# KiCad board AMC_FMC_Carrier-PcbDoc.kicad_pcb (continued)
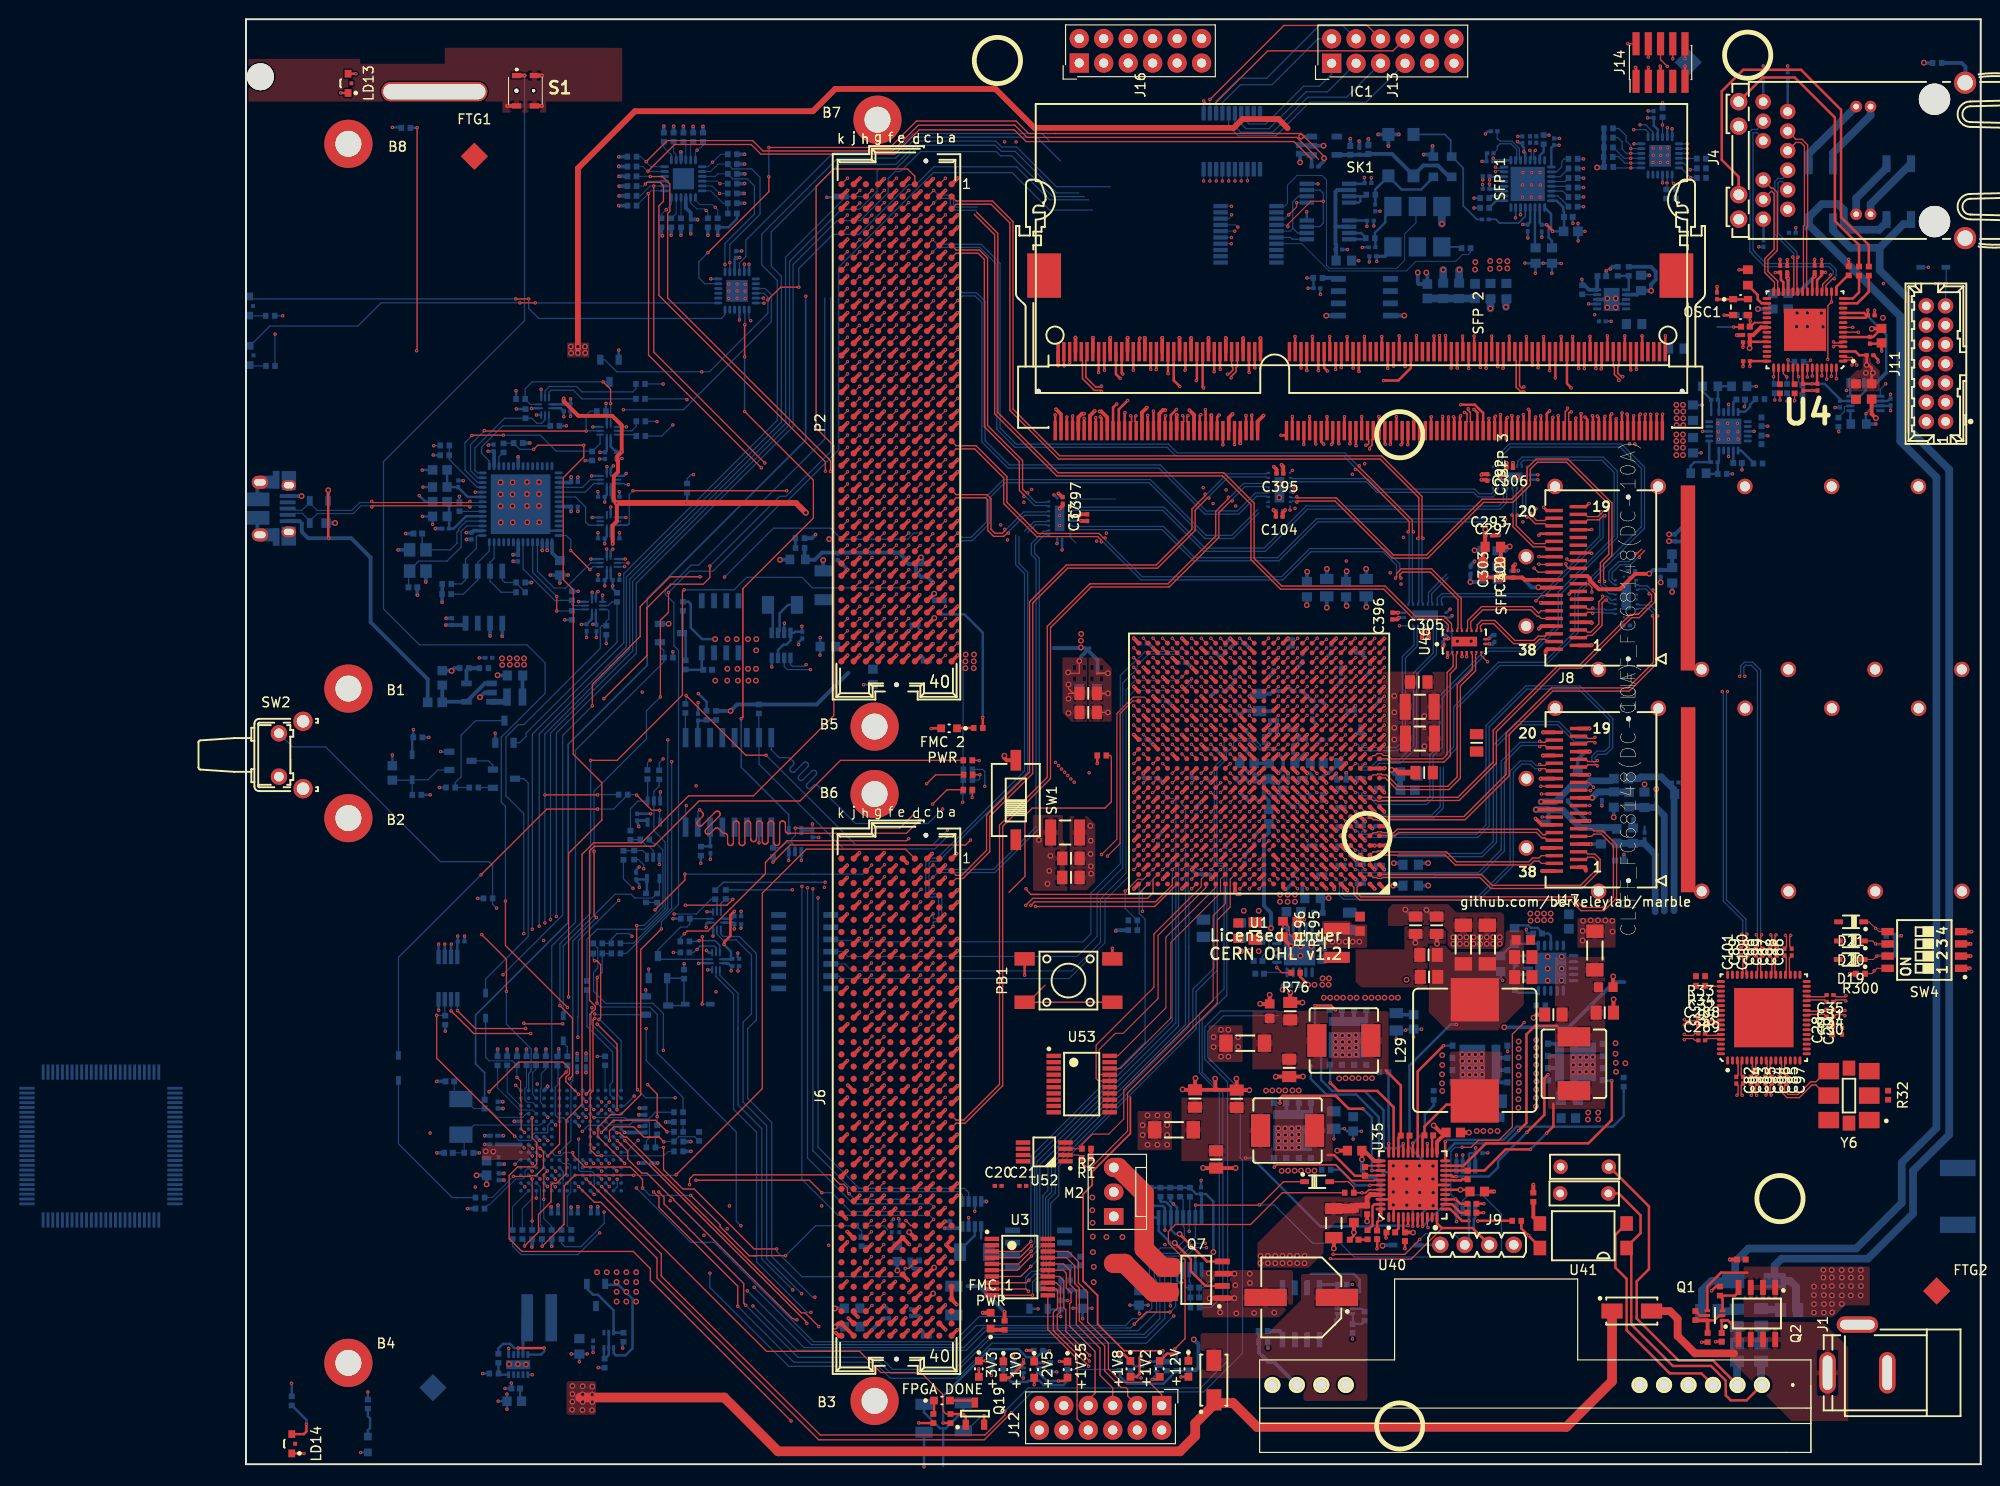
[diagram p0: board, top side]
## Nets (continued)
+3V3: C7.1 C8.1 C21.1 C23.1 C24.1 C37.1 C41.1 C63.1 C64.1 C70.1 C74.1 C78.1 C103.1 C104.1 C211.1 C212.1 C215.1 C281.1 C283.1 C285.1 C287.1 C290.1 C291.1 C292.1 C293.1 C294.1 C295.1 C296.1 C297.1 C298.1 C305.1 C306.1 C333.1 C335.1 C337.1 C339.1 C342.1 C392.1 C395.1 C396.1 C397.1 C398.1 C399.1 C400.1 C401.1 C402.1 C403.1 J4.18 J4.20 J6.C39 J6.D36 J6.D38 J6.D40 J12.11 J12.12 J13.11 J13.12 J16.11 J16.12 L1.1 L2.1 L4.1 L5.1 L11.1 L22.2 L30.1 L43.1 L44.1 P2.C39 P2.D36 P2.D38 P2.D40 R1.1 R2.1 R29.1 R32.1 R35.1 R36.1 R37.2 R38.2 R45.2 R46.2 R47.2 R48.2 R49.2 R50.2 R51.2 R52.2 R53.2 R54.2 R55.2 R56.2 R57.2 R62.2 R72.1 R73.1 R75.2 R77.2 R83.2 R91.2 R131.1 R163.1 R167.1 R199.1 R224.1 R248.1 R262.1 R264.1 R265.1 R301.1 R302.1 R303.2 R304.2 R305.2 SK1.199 SW4.1 SW4.2 SW4.3 SW4.4 U1.A11 U1.B8 U1.C15 U1.D12 U1.E9 U1.G13 U1.H10 U3.19 U6.3 U8.1 U8.7 U8.10 U9.7 U9.10 U11.5 U12.19 U31.7 U31.10 U34.21 U34.23 U39.18 U39.21 U44.1 U44.6 U44.10 U45.1 U45.6 U45.10 U46.1 U46.6 U46.10 U47.1 U47.2 U47.4 U47.5 U48.1 U48.6 U48.10 U49.1 U49.6 U49.10 U50.1 U50.6 U50.10 U52.1
+3V3_CLEAN: C28.1 C29.1 C36.1 C80.1 C110.1 C112.1 C115.1 C116.1 C117.1 C118.1 C119.1 C122.1 C124.1 C125.1 C196.1 C210.1 L12.2 L26.2 R58.2 R94.1 U13.1 U13.3 U16.1 U19.1 U20.1 U20.4 U20.9 U20.20 U20.27 U20.30 Y3.6 Y6.6
+3V3_USB: C163.1 C164.1 C166.1 C169.1 C170.1 C172.1 C176.1 C177.1 C178.1 C180.1 C182.1 C183.1 C184.1 C355.1 D16.1 L23.2 L24.1 L25.1 R113.1 R115.1 R117.1 R118.1 R121.1 R122.1 R123.1 R124.1 R125.1 R126.1 R270.1 R271.2 R272.2 U15.7 U15.10 U21.6 U21.8 U23.2 U23.16 U23.31 U23.36 U23.44 U23.50 U24.1 U24.7 U24.10 U25.7 U25.10 U26.1 U26.7 U26.10 U33.7 U33.10 U38.1 U38.7
+5V: C363.1 R193.1
+12V: C105.1 C131.1 C134.1 C135.1 C137.1 C141.1 C151.1 C153.1 C155.1 C157.1 C159.1 C161.1 C195.1 C331.1 C343.1 C344.1 M2.2 Q1.4 Q2.1 Q2.2 Q2.3 Q4.1 Q4.2 Q4.3 Q10.2 Q10.3 Q10.4 Q10.10 Q11.2 Q11.3 Q11.4 Q11.10 Q12.2 Q12.3 Q12.4 Q12.10 Q13.2 Q13.3 Q13.4 Q13.10 Q16.1 Q16.2 Q16.3 Q22.4 Q23.1 Q23.2 Q23.3 R202.1 R203.1 R249.1 R252.1 R254.1 R256.1 R257.1 U35.41
+12V_FMC1: C61.1 C62.1 J6.C35 J6.C37 R182.2 R235.1 U17.2
+12V_FMC2: C5.1 C6.1 P2.C35 P2.C37 R183.2 R236.1 U32.2
/FPGA/FPGA_PWR&MISC/GNDADC: C222.2 C224.2 L28.2 U1.M11 U1.N11 U1.N12 U1.P11 U1.P12
/FPGA/FPGA_PWR&MISC/VCCADC: C222.1 C224.1 L27.2 U1.M12
GND: B1.1 B2.1 B3.1 B4.1 B5.1 B6.1 B7.1 B8.1 C1.2 C2.2 C3.2 C4.2 C5.2 C6.2 C7.2 C8.2 C9.2 C10.2 C11.2 C12.1 C13.1 C14.2 C15.2 C16.2 C17.2 C18.2 C19.2 C20.2 C21.2 C22.2 C23.2 C24.2 C25.2 C26.2 C27.2 C28.2 C29.2 C36.2 C37.2 C38.2 C39.2 C40.1 C41.2 C42.1 C43.2 C44.2 C45.2 C46.2 C47.1 C48.2 C49.2 C50.2 C51.2 C52.2 C53.2 C54.2 C55.2 C56.2 C57.2 C58.2 C59.2 C60.2 C61.2 C62.2 C63.2 C64.2 C65.2 C66.2 C67.2 C68.1 C69.1 C70.2 C72.2 C73.2 C74.2 C76.2 C77.1 C78.2 C79.2 C80.2 C81.2 C90.2 C91.2 C92.2 C93.2 C103.2 C104.2 C105.2 C106.2 C107.2 C108.2 C109.2 C110.2 C111.2 C112.2 C113.2 C115.2 C116.2 C117.2 C118.2 C119.2 C120.2 C121.2 C122.2 C123.2 C124.2 C125.2 C126.2 C127.2 C128.2 C129.2 C130.2 C131.2 C132.2 C133.2 C136.2 C137.2 C138.1 C139.2 C140.2 C141.2 C142.2 C143.2 C144.2 C145.2 C146.2 C151.2 C152.2 C153.2 C154.2 C155.2 C156.2 C157.2 C158.2 C159.2 C160.2 C161.2 C162.2 C163.2 C164.2 C165.2 C166.2 C167.2 C168.2 C169.2 C170.2 C171.2 C172.2 C173.2 C174.2 C175.2 C176.2 C177.2 C178.2 C179.2 C180.2 C181.2 C182.2 C183.2 C184.2 C185.2 C186.2 C187.2 C190.2 C191.1 C192.1 C193.2 C194.2 C195.2 C196.2 C197.2 C198.2 C199.2 C200.2 C201.2 C202.2 C203.2 C204.2 C205.2 C206.2 C207.2 C208.2 C209.2 C210.2 C211.2 C212.2 C213.2 C214.2 C215.2 C216.2 C217.2 C218.2 C219.2 C220.2 C221.2 C223.2 C225.2 C226.2 C227.2 C228.2 C229.2 C230.2 C231.2 C232.2 C233.2 C234.2 C235.2 C236.2 C237.2 C238.2 C239.2 C240.2 C241.2 C242.2 C243.2 C244.2 C245.2 C246.2 C247.2 C248.2 C249.2 C250.2 C251.2 C252.2 C253.2 C254.2 C255.2 C256.2 C257.2 C258.2 C259.2 C260.2 C261.2 C262.2 C263.2 C264.2 C265.2 C266.2 C267.2 C268.2 C269.2 C270.2 C271.2 C272.2 C273.2 C274.2 C275.2 C276.2 C277.2 C278.2 C279.2 C280.2 C281.2 C282.2 C283.2 C284.2 C285.2 C286.2 C287.2 C290.2 C291.2 C292.2 C293.2 C294.2 C295.2 C296.2 C297.2 C298.2 C299.2 C300.2 C301.2 C302.2 C303.2 C304.2 C305.2 C306.2 C330.2 C331.2 C332.2 C333.2 C334.2 C335.2 C336.2 C337.2 C338.2 C339.2 C340.2 C341.2 C342.2 C343.2 C344.2 C345.2 C346.2 C347.2 C348.2 C349.2 C350.2 C351.2 C352.2 C353.2 C354.2 C355.2 C356.2 C358.2 C359.2 C360.2 C361.2 C362.2 C363.2 C375.2 C380.2 C381.2 C382.2 C383.2 C384.2 C385.2 C386.2 C387.2 C388.2 C389.2 C390.2 C391.2 C392.2 C393.2 C394.2 C395.2 C396.2 C397.2 C398.2 C399.2 C400.2 C401.2 C402.2 C403.2 C404.2 C405.2 C406.2 C407.2 C408.2 C409.2 D13.1 D15.2 J1.3 J6.A1 J6.A4 J6.A5 J6.A8 J6.A9 J6.A12 J6.A13 J6.A16 J6.A17 J6.A20 J6.A21 J6.A24 J6.A25 J6.A28 J6.A29 J6.A32 J6.A33 J6.A36 J6.A37 J6.A40 J6.B2 J6.B3 J6.B6 J6.B7 J6.B10 J6.B11 J6.B14 J6.B15 J6.B18 J6.B19 J6.B22 J6.B23 J6.B26 J6.B27 J6.B30 J6.B31 J6.B34 J6.B35 J6.B38 J6.B39 J6.C1 J6.C4 J6.C5 J6.C8 J6.C9 J6.C12 J6.C13 J6.C16 J6.C17 J6.C20 J6.C21 J6.C24 J6.C25 J6.C28 J6.C29 J6.C32 J6.C33 J6.C34 J6.C36 J6.C38 J6.C40 J6.D2 J6.D3 J6.D6 J6.D7 J6.D10 J6.D13 J6.D16 J6.D19 J6.D22 J6.D25 J6.D28 J6.D35 J6.D37 J6.D39 J6.E1 J6.E4 J6.E5 J6.E8 J6.E11 J6.E14 J6.E17 J6.E20 J6.E23 J6.E26 J6.E29 J6.E32 J6.E35 J6.E38 J6.E40 J6.F2 J6.F3 J6.F6 J6.F9 J6.F12 J6.F15 J6.F18 J6.F21 J6.F24 J6.F27 J6.F30 J6.F33 J6.F36 J6.F39 J6.G1 J6.G4 J6.G5 J6.G8 J6.G11 J6.G14 J6.G17 J6.G20 J6.G23 J6.G26 J6.G29 J6.G32 J6.G35 J6.G38 J6.G40 J6.H3 J6.H6 J6.H9 J6.H12 J6.H15 J6.H18 J6.H21 J6.H24 J6.H27 J6.H30 J6.H33 J6.H36 J6.H39 J6.J1 J6.J4 J6.J5 J6.J8 J6.J11 J6.J14 J6.J17 J6.J20 J6.J23 J6.J26 J6.J29 J6.J32 J6.J35 J6.J38 J6.J40 J6.K2 J6.K3 J6.K6 J6.K9 J6.K12 J6.K15 J6.K18 J6.K21 J6.K24 J6.K27 J6.K30 J6.K33 J6.K36 J6.K39 J8.1 J8.4 J8.7 J8.13 J8.16 J8.19 J8.20 J8.23 J8.26 J8.32 J8.35 J8.38 J9.4 J10.5 J10.6 J11.1 J11.3 J11.5 J11.7 J11.9 J11.11 J12.9 J12.10 J13.9 J13.10 J14.3 J14.5 J14.9 J16.9 J16.10 J17.1 J17.4 J17.7 J17.13 J17.16 J17.19 J17.20 J17.23 J17.26 J17.32 J17.35 J17.38 L28.1 LD1.1 LD2.1 LD4.1 LD6.1 LD10.1 OSC1.2 P2.A1 P2.A4 P2.A5 P2.A8 P2.A9 P2.A12 P2.A13 P2.A16 P2.A17 P2.A20 P2.A21 P2.A24 P2.A25 P2.A28 P2.A29 P2.A32 P2.A33 P2.A36 P2.A37 P2.A40 P2.B2 P2.B3 P2.B6 P2.B7 P2.B10 P2.B11 P2.B14 P2.B15 P2.B18 P2.B19 P2.B22 P2.B23 P2.B26 P2.B27 P2.B30 P2.B31 P2.B34 P2.B35 P2.B38 P2.B39 P2.C1 P2.C4 P2.C5 P2.C8 P2.C9 P2.C12 P2.C13 P2.C16 P2.C17 P2.C20 P2.C21 P2.C24 P2.C25 P2.C28 P2.C29 P2.C32 P2.C33 P2.C36 P2.C38 P2.C40 P2.D2 P2.D3 P2.D6 P2.D7 P2.D10 P2.D13 P2.D16 P2.D19 P2.D22 P2.D25 P2.D28 P2.D35 P2.D37 P2.D39 P2.E1 P2.E4 P2.E5 P2.E8 P2.E11 P2.E14 P2.E17 P2.E20 P2.E23 P2.E26 P2.E29 P2.E32 P2.E35 P2.E38 P2.E40 P2.F2 P2.F3 P2.F6 P2.F9 P2.F12 P2.F15 P2.F18 P2.F21 P2.F24 P2.F27 P2.F30 P2.F33 P2.F36 P2.F39 P2.G1 P2.G4 P2.G5 P2.G8 P2.G11 P2.G14 P2.G17 P2.G20 P2.G23 P2.G26 P2.G29 P2.G32 P2.G35 P2.G38 P2.G40 P2.H3 P2.H6 P2.H9 P2.H12 P2.H15 P2.H18 P2.H21 P2.H24 P2.H27 P2.H30 P2.H33 P2.H36 P2.H39 P2.J1 P2.J4 P2.J5 P2.J8 P2.J11 P2.J14 P2.J17 P2.J20 P2.J23 P2.J26 P2.J29 P2.J32 P2.J35 P2.J38 P2.J40 P2.K2 P2.K3 P2.K6 P2.K9 P2.K12 P2.K15 P2.K18 P2.K21 P2.K24 P2.K27 P2.K30 P2.K33 P2.K36 P2.K39 PB1.3 PB1.4 Q5.2 Q6.2 Q7.1 Q7.3 Q8.2 Q9.2 Q10.5 Q10.6 Q10.7 Q11.5 Q11.6 Q11.7 Q12.5 Q12.6 Q12.7 Q13.5 Q13.6 Q13.7 Q17.2 Q18.2 Q19.2 Q24.2 Q26.1 Q26.4 Q27.1 Q27.4 R30.2 R33.2 R34.2 R42.2 R43.2 R44.2 R59.1 R60.1 R61.1 R65.1 R66.1 R69.2 R71.2 R95.1 R96.1 R97.1 R98.1 R99.1 R100.1 R101.1 R102.1 R104.2 R108.2 R110.2 R116.2 R119.2 R120.1 R127.2 R132.2 R137.2 R138.2 R142.2 R144.2 R146.2 R147.2 R158.2 R165.1 R169.1 R171.2 R180.2 R181.2 R188.2 R189.2 R190.1 R191.1 R192.1 R194.1 R196.2 R198.2 R201.2 R212.2 R222.2 R243.1 R258.2 R260.2 R272.1 R281.2 R284.2 R285.2 R297.2 R298.2 R299.2 R300.2 S1.2 S1.3 S1.4 SK1.2 SK1.3 SK1.8 SK1.9 SK1.13 SK1.14 SK1.19 SK1.20 SK1.25 SK1.26 SK1.31 SK1.32 SK1.37 SK1.38 SK1.43 SK1.44 SK1.48 SK1.49 SK1.54 SK1.55 SK1.60 SK1.61 SK1.65 SK1.66 SK1.71 SK1.72 SK1.127 SK1.128 SK1.133 SK1.134 SK1.138 SK1.139 SK1.144 SK1.145 SK1.150 SK1.151 SK1.155 SK1.156 SK1.161 SK1.162 SK1.167 SK1.168 SK1.172 SK1.173 SK1.178 SK1.179 SK1.184 SK1.185 SK1.189 SK1.190 SK1.195 SK1.196 SK1.197 SK1.201 SW1.2 SW2.1 SW3.1 U1.A1 U1.A2 U1.A5 U1.A6 U1.A7 U1.A16 U1.A26 U1.AA6 U1.AA16 U1.AA26 U1.AB3 U1.AB13 U1.AB23 U1.AC10 U1.AC20 U1.AD7 U1.AD17 U1.AE4 U1.AE14 U1.AE24 U1.AF1 U1.AF11 U1.AF21 U1.B4 U1.B7 U1.B13 U1.B23 U1.C1 U1.C5 U1.C7 U1.C10 U1.C20 U1.D4 U1.D7 U1.D17 U1.E1 U1.E2 U1.E5 U1.E7 U1.E8 U1.E14 U1.E24 U1.F3 U1.F4 U1.F7 U1.F11 U1.F21 U1.G1 U1.G5 U1.G8 U1.G18 U1.H4 U1.H7 U1.H15 U1.H25 U1.J1 U1.J2 U1.J5 U1.J12 U1.J22 U1.K3 U1.K4 U1.K7 U1.K9 U1.K11 U1.K13 U1.K19 U1.L1 U1.L5 U1.L10 U1.L12 U1.L14 U1.L16 U1.L26 U1.M4 U1.M7 U1.M9 U1.M13 U1.M15 U1.M23 U1.N1 U1.N2 U1.N5 U1.N7 U1.N10 U1.N14 U1.N20 U1.P3 U1.P4 U1.P9 U1.P13 U1.P15 U1.P17 U1.R1 U1.R2 U1.R5 U1.R8 U1.R10 U1.R14 U1.R24 U1.T1 U1.T3 U1.T4 U1.T9 U1.T11 U1.T13 U1.T15 U1.T21 U1.U8 U1.U10 U1.U12 U1.U14 U1.U18 U1.V5 U1.V15 U1.V25 U1.W2 U1.W12 U1.W22 U1.Y9 U1.Y19 U2.2 U2.11 U2.16 U2.17 U2.27 U2.30 U2.32 U2.33 U2.37 U2.46 U2.53 U2.62 U2.64 U2.65 U3.1 U4.10 U4.57 U5.9 U6.2 U7.3 U8.3 U9.1 U9.3 U10.3 U11.1 U11.3 U12.1 U13.2 U14.4 U14.5 U15.2 U15.3 U16.8 U17.3 U17.7 U17.8 U18.1 U18.6 U18.11 U19.8 U20.22 U20.33 U21.5 U22.2 U23.10 U23.21 U23.41 U23.45 U23.57 U24.2 U24.3 U25.1 U25.2 U25.3 U26.3 U27.10 U27.13 U28.4 U28.5 U29.4 U29.5 U29.6 U30.10 U31.4 U31.8 U31.11 U32.3 U32.8 U33.1 U33.3 U34.9 U34.18 U34.24 U34.25 U35.2 U35.17 U35.42 U35.45 U36.12 U36.21 U37.12 U37.21 U38.2 U38.3 U38.10 U39.9 U39.23 U39.24 U39.25 U40.7 U40.10 U43.19 U43.20 U43.27 U43.49 U43.74 U43.99 U44.5 U44.11 U44.20 U44.21 U45.5 U45.11 U45.20 U45.21 U46.5 U46.11 U46.20 U46.21 U47.3 U47.8 U47.13 U47.18 U47.21 U48.5 U48.11 U48.20 U48.21 U49.5 U49.11 U49.20 U49.21 U50.5 U50.11 U50.20 U50.21 U51.7 U52.4 Y1.3 Y2.2 Y3.3 Y4.2 Y4.4 Y6.3
VCCAUX: C223.1 C226.1 C227.1 C229.1 C231.1 C233.1 C235.1 C237.1 L15.2 U1.L11 U1.M10 U1.P10 U1.T10 U1.U11
VCCAUXIO2V0: C75.1 C76.1 C384.1 C385.1 R70.1 U1.P8 U1.R9 U1.T8 U47.11 U47.12
VCCBRAM: C2.1 C3.1 C216.1 C218.1 C220.1 L33.2 U1.N13 U1.R13 U1.T12 U1.U13
/ALERT: R172.2 U27.14 U39.5
/AMC_connector/AMC_En: R145.2 R155.1
/AMC_connector/AMC_GA0: R148.1
/AMC_connector/AMC_GA1: R149.1
/AMC_connector/AMC_GA2: R150.1
/AMC_connector/I2C_IPMB_SCL: R133.2
/AMC_connector/I2C_IPMB_SDA: R134.2
/EN_CON_JTAG: C193.1 D14.1 D15.1 J11.13 Q6.1 R166.2 U39.4
/EN_USB_JTAG: Q5.1 R127.1 R200.1 U39.3
/ESDSTRIP1: R243.2 R244.1
/ESDSTRIP2: R244.2
/ETH_PHY/CLK_25MHZ: C102.2 C374.2 U20.23
/ETH_PHY/MDI0_N: J4.10 U4.27
/ETH_PHY/MDI0_P: J4.11 U4.28
/ETH_PHY/MDI1_N: J4.5 U4.23
/ETH_PHY/MDI1_P: J4.4 U4.24
/ETH_PHY/MDI2_N: J4.2 U4.21
/ETH_PHY/MDI2_P: J4.3 U4.22
/ETH_PHY/MDI3_N: J4.9 U4.17
/ETH_PHY/MDI3_P: J4.8 U4.18
/ETH_PHY/MII_MDC: U6.4 U43.65
/ETH_PHY/MII_MDIO: R62.1 U6.5 U43.66
/ETH_PHY/PHY_RSTn: U1.B9 U4.16
/ETH_PHY/POE_VC1: D6.1 J4.13
/ETH_PHY/POE_VC2: D7.1 J4.14
/ETH_PHY/POE_VC3: D6.2 J4.15
/ETH_PHY/POE_VC4: D7.2 J4.16
/ETH_PHY/RGMII_RX_CLK: R292.2 U1.E11
/ETH_PHY/RGMII_RX_DV: R291.2 U1.J8
/ETH_PHY/RGMII_RXD0: R293.2 U1.J10
/ETH_PHY/RGMII_RXD1: R294.2 U1.J11
/ETH_PHY/RGMII_RXD2: R295.2 U1.H8
/ETH_PHY/RGMII_RXD3: R296.2 U1.H9
/ETH_PHY/RGMII_TX_CLK: U1.F10 U4.53
/ETH_PHY/RGMII_TX_EN: U1.C9 U4.56
/ETH_PHY/RGMII_TXD0: U1.H11 U4.50
/ETH_PHY/RGMII_TXD1: U1.H12 U4.51
/ETH_PHY/RGMII_TXD2: U1.D8 U4.54
/ETH_PHY/RGMII_TXD3: U1.D9 U4.55
/ETH_PHY/SD_IN_N: U4.2
/ETH_PHY/SD_IN_P: U4.1
/ETH_PHY/SD_OUT_N: U4.5
/ETH_PHY/SD_OUT_P: U4.4
/FANFAIL: R173.2 U27.5 U39.6
/FMC1_PRSNT_M2C_L: J6.H2 R63.1 R234.2
/FMC1_PRSNT_Override: D18.2 R151.1
/FMC1_TCK: J6.D29 R239.1 R241.2
/FMC1_TDI: J6.D30 R277.1
/FMC1_TDO: J6.D31 R278.1
/FMC1_TMS: J6.D33 R240.1 R242.2
/FMC1_TRST: J6.D34 R289.2 R290.1
/FMC2_PRSNT_M2C_L: P2.H2 R205.2 R276.1
/FMC2_PRSNT_Override: D17.2 R152.1
/FMC2_TCK: P2.D29 R241.1
/FMC2_TDI: P2.D30 R279.1
/FMC2_TDO: P2.D31 R280.1
/FMC2_TMS: P2.D33 R242.1
/FMC2_TRST: P2.D34 R289.1
/FMC_1/FMC1_3P3VAUX: C65.1 C66.1 J6.D32 R79.1 R261.1
/FMC_1/FMC1_CLK0_M2C_N: J6.H5 U1.E17
/FMC_1/FMC1_CLK0_M2C_P: J6.H4 U1.F17
/FMC_1/FMC1_CLK1_M2C_N: J6.G3 U1.D18
/FMC_1/FMC1_CLK1_M2C_P: J6.G2 U1.E18
/FMC_1/FMC1_FUSE: R260.1 R261.2 U43.17
/FMC_1/FMC1_GBTCLK0_M2C_N: C86.2 J6.D5
/FMC_1/FMC1_GBTCLK0_M2C_P: C98.2 J6.D4
/FMC_1/FMC1_GBTCLK1_M2C_N: C87.2 J6.B21
/FMC_1/FMC1_GBTCLK1_M2C_P: C99.2 J6.B20
/FMC_1/FMC1_PG_C2M: J6.D1 R153.1
/FMC_1/I2C_FMC1_SCL: J6.C30 R45.1 U5.2
/FMC_1/I2C_FMC1_SDA: J6.C31 R46.1 U5.1
/FMC_1/PG_M2C: J6.F1
/FMC_1/VREF_B_M2C: J6.K1
/FMC_2/CLK_DIR: P2.B1
/FMC_2/FMC2_3P3VAUX: C9.1 C10.1 P2.C34 P2.D32 R78.1 R259.1
/FMC_2/FMC2_CLK0_M2C_N: P2.H5 U1.AA24
/FMC_2/FMC2_CLK0_M2C_P: P2.H4 U1.Y23
/FMC_2/FMC2_CLK1_M2C_N: P2.G3 U1.E23
/FMC_2/FMC2_CLK1_M2C_P: P2.G2 U1.F22
/FMC_2/FMC2_DP4_C2M_N: P2.A35
/FMC_2/FMC2_DP4_C2M_P: P2.A34
/FMC_2/FMC2_DP4_M2C_N: P2.A15
/FMC_2/FMC2_DP4_M2C_P: P2.A14
/FMC_2/FMC2_DP5_C2M_N: P2.A39
/FMC_2/FMC2_DP5_C2M_P: P2.A38
/FMC_2/FMC2_DP5_M2C_N: P2.A19
/FMC_2/FMC2_DP5_M2C_P: P2.A18
/FMC_2/FMC2_DP6_C2M_N: P2.B37
/FMC_2/FMC2_DP6_C2M_P: P2.B36
/FMC_2/FMC2_DP6_M2C_N: P2.B17
/FMC_2/FMC2_DP6_M2C_P: P2.B16
/FMC_2/FMC2_DP7_C2M_N: P2.B33
/FMC_2/FMC2_DP7_C2M_P: P2.B32
/FMC_2/FMC2_DP7_M2C_N: P2.B13
/FMC_2/FMC2_DP7_M2C_P: P2.B12
/FMC_2/FMC2_DP8_C2M_N: P2.B29
/FMC_2/FMC2_DP8_C2M_P: P2.B28
/FMC_2/FMC2_DP8_M2C_N: P2.B9
/FMC_2/FMC2_DP8_M2C_P: P2.B8
/FMC_2/FMC2_DP9_C2M_N: P2.B25
/FMC_2/FMC2_DP9_C2M_P: P2.B24
/FMC_2/FMC2_DP9_M2C_N: P2.B5
/FMC_2/FMC2_DP9_M2C_P: P2.B4
/FMC_2/FMC2_FUSE: R258.1 R259.2 U43.18
/FMC_2/FMC2_GBTCLK0_M2C_N: C88.2 P2.D5
/FMC_2/FMC2_GBTCLK0_M2C_P: C100.2 P2.D4
/FMC_2/FMC2_GBTCLK1_M2C_N: C89.2 P2.B21
/FMC_2/FMC2_GBTCLK1_M2C_P: C101.2 P2.B20
/FMC_2/FMC2_PG_C2M: P2.D1 R154.1
/FMC_2/GBTCLK2_M2C_N: P2.K5
/FMC_2/GBTCLK2_M2C_P: P2.K4
/FMC_2/GBTCLK3_M2C_N: P2.J3
/FMC_2/GBTCLK3_M2C_P: P2.J2
/FMC_2/I2C_FMC2_SCL: P2.C30 R47.1 U5.4
/FMC_2/I2C_FMC2_SDA: P2.C31 R48.1 U5.3
/FMC_2/PG_M2C: P2.F1
/FMC_2/RES0: P2.B40
/FMC_2/VREF_B_M2C: P2.K1
/FMC_TCK: R239.2 U43.43
/FMC_TDI: R237.1 U43.42
/FMC_TDO: R275.2 U43.40
/FMC_TMS: R240.2 U43.41
/FMC_TRST: R290.2 U43.97
/FPGA/CCLK: U1.C8 U30.16
/FPGA/CFG_WP_B: U11.4 U39.8
/FPGA/CLK20_VCXO: R103.2 U42.7
/FPGA/CLKMUX_RST: U2.1 U43.44
/FPGA/DDR3_CAS_N: SK1.115 U1.AF8
/FPGA/DDR3_CK_N: SK1.103 U1.AF12
/FPGA/DDR3_CK_P: SK1.101 U1.AE12
/FPGA/DDR3_CKE: SK1.73 U1.AA13
/FPGA/DDR3_CS_N: SK1.114 U1.AC7
/FPGA/DDR3_DQS0_N: SK1.10 U1.AF18
/FPGA/DDR3_DQS0_P: SK1.12 U1.AE18
/FPGA/DDR3_DQS1_N: SK1.27 U1.W19
/FPGA/DDR3_DQS1_P: SK1.29 U1.W18
/FPGA/DDR3_DQS2_N: SK1.45 U1.AE20
/FPGA/DDR3_DQS2_P: SK1.47 U1.AD20
/FPGA/DDR3_DQS3_N: SK1.62 U1.Y16
/FPGA/DDR3_DQS3_P: SK1.64 U1.Y15
/FPGA/DDR3_DQS4_N: SK1.135 U1.AB5
/FPGA/DDR3_DQS4_P: SK1.137 U1.AA5
/FPGA/DDR3_DQS5_N: SK1.152 U1.AF4
/FPGA/DDR3_DQS5_P: SK1.154 U1.AF5
/FPGA/DDR3_DQS6_N: SK1.169 U1.AC1
/FPGA/DDR3_DQS6_P: SK1.171 U1.AB1
/FPGA/DDR3_DQS7_N: SK1.186 U1.W5
/FPGA/DDR3_DQS7_P: SK1.188 U1.W6
/FPGA/DDR3_ODT: SK1.116 U1.AB9
/FPGA/DDR3_RAS_N: SK1.110 U1.AB7
/FPGA/DDR3_RST_N: SK1.30 U1.Y12
/FPGA/DDR3_WE_N: SK1.113 U1.AF9
/FPGA/DXN_0: R129.1 U1.R11
/FPGA/DXP_0: C188.1 C189.1 U1.R12 U27.9
/FPGA/EXP_INT: R199.2 U34.22 U39.22 U53.3
/FPGA/FPGA_12_13/FPGA_MISO_T: U1.AC21 U51.12
/FPGA/FPGA_12_13/FPGA_MOSI_T: U1.AB21 U51.13
/FPGA/FPGA_12_13/FPGA_SCK_T: U1.AE21 U51.10
/FPGA/FPGA_12_13/FPGA_SSEL_T: U1.AD21 U51.11
/FPGA/FPGA_12_13/Self_FPGA_TCK_T: U1.Y26
/FPGA/FPGA_12_13/Self_FPGA_TDI_T: U1.Y25
/FPGA/FPGA_12_13/Self_FPGA_TDO_T: U1.AF25
/FPGA/FPGA_12_13/Self_FPGA_TMS_T: U1.AF24
/FPGA/FPGA_14_15/CFG_D02: R209.1 U1.B22
/FPGA/FPGA_14_15/CFG_D03: R210.1 U1.A22
/FPGA/FPGA_14_15/CFG_DIN: U1.A25 U30.8
/FPGA/FPGA_14_15/CFG_FCS: R223.2 U1.C23 U30.7
/FPGA/FPGA_14_15/CFG_MOSI: U1.B24 U30.15
/FPGA/FPGA_14_15/CFG_PUDC: R221.2 R222.1 U1.B25
/FPGA/FPGA_14_15/CFG_WP: R209.2 SW1.1 U11.2 U30.9
/FPGA/FPGA_14_15/EXP_INT_T: U1.A18 U53.20
/FPGA/FPGA_14_15/FPGA_INT_T: U1.B17 U53.18
/FPGA/FPGA_14_15/FPGA_XR_GPIO_0_T: U1.A19 U53.17
/FPGA/FPGA_14_15/I2C_FPGA_SW_RST_T: U1.B19 U53.16
/FPGA/FPGA_14_15/I2C_SCL: R1.2 U1.B16 U52.2
/FPGA/FPGA_14_15/I2C_SDA: R2.2 U1.A17 U52.3
/FPGA/FPGA_33_34/CLK20_VCXO_T: U1.W11 U42.14
/FPGA/FPGA_33_34/VCXO_EN_T: U1.V9 U42.20
/FPGA/FPGA_33_34/WR_DAC1_SYNC_T: U1.W10 U42.18
/FPGA/FPGA_33_34/WR_DAC2_SYNC_T: U1.Y11 U42.15
/FPGA/FPGA_33_34/WR_DAC_DIN_T: U1.Y10 U42.17
/FPGA/FPGA_33_34/WR_DAC_SCLK_T: U1.V11 U42.16
/FPGA/FPGA_DONE: Q19.1 R162.2 U1.J7 U43.79
/FPGA/FPGA_INT: U43.37 U53.1
/FPGA/FPGA_MGT/GBX_MUX/MGT_MUX_PD: R300.1 SW4.8 U44.2 U45.2 U46.2 U48.2 U49.2 U50.2
/FPGA/FPGA_MGT/GBX_MUX/MGT_RX_6_FMC_N: U44.4 U50.16
/FPGA/FPGA_MGT/GBX_MUX/MGT_RX_6_FMC_P: U44.3 U50.17
/FPGA/FPGA_MGT/GBX_MUX/MGT_RX_7_FMC_N: U45.4 U50.18
/FPGA/FPGA_MGT/GBX_MUX/MGT_RX_7_FMC_P: U45.3 U50.19
/FPGA/FPGA_MGT/GBX_MUX/MGT_TX_6_FMC_N: U44.8 U49.18
/FPGA/FPGA_MGT/GBX_MUX/MGT_TX_6_FMC_P: U44.7 U49.19
/FPGA/FPGA_MGT/GBX_MUX/MGT_TX_7_FMC_N: U45.8 U49.16
/FPGA/FPGA_MGT/GBX_MUX/MGT_TX_7_FMC_P: U45.7 U49.17
/FPGA/FPGA_MGT/GBX_MUX/MUX1_SEL: D19.1 R297.1 SW4.7 U44.9
/FPGA/FPGA_MGT/GBX_MUX/MUX2_SEL: D20.1 R298.1 SW4.6 U45.9
/FPGA/FPGA_MGT/GBX_MUX/MUX3_SEL: D21.1 R299.1 SW4.5 U46.9 U48.9
/FPGA/FPGA_MGT/I2C_CLKMUX_SCL: U2.48
/FPGA/FPGA_MGT/I2C_CLKMUX_SDA: U2.47
/FPGA/FPGA_MGT/MGT_CLK_0_N: C33.1 U1.D5
/FPGA/FPGA_MGT/MGT_CLK_0_P: C289.1 U1.D6
/FPGA/FPGA_MGT/MGT_CLK_1_N: C32.1 U1.F5
/FPGA/FPGA_MGT/MGT_CLK_1_P: C288.1 U1.F6
/FPGA/FPGA_MGT/MGT_CLK_2_N: C31.1 U1.H5
/FPGA/FPGA_MGT/MGT_CLK_2_P: C35.1 U1.H6
/FPGA/FPGA_MGT/MGT_CLK_3_N: C30.1 U1.K5
/FPGA/FPGA_MGT/MGT_CLK_3_P: C34.1 U1.K6
/FPGA/FPGA_MGT/MGT_CLK_Crosspoint/EXT0_CLK_C_N: C82.1 U2.3
/FPGA/FPGA_MGT/MGT_CLK_Crosspoint/EXT0_CLK_C_P: C94.1 U2.4
/FPGA/FPGA_MGT/MGT_CLK_Crosspoint/EXT0_CLK_N: C82.2
/FPGA/FPGA_MGT/MGT_CLK_Crosspoint/EXT0_CLK_P: C94.2
/FPGA/FPGA_MGT/MGT_CLK_Crosspoint/EXT1_CLK_C_N: C83.1 U2.6
/FPGA/FPGA_MGT/MGT_CLK_Crosspoint/EXT1_CLK_C_P: C95.1 U2.7
/FPGA/FPGA_MGT/MGT_CLK_Crosspoint/EXT1_CLK_N: C83.2
/FPGA/FPGA_MGT/MGT_CLK_Crosspoint/EXT1_CLK_P: C95.2
/FPGA/FPGA_MGT/MGT_CLK_Crosspoint/FMC1_GBTCLK0_M2C_C_N: C86.1 U2.35
/FPGA/FPGA_MGT/MGT_CLK_Crosspoint/FMC1_GBTCLK0_M2C_C_P: C98.1 U2.36
/FPGA/FPGA_MGT/MGT_CLK_Crosspoint/FMC1_GBTCLK1_M2C_C_N: C87.1 U2.38
/FPGA/FPGA_MGT/MGT_CLK_Crosspoint/FMC1_GBTCLK1_M2C_C_P: C99.1 U2.39
/FPGA/FPGA_MGT/MGT_CLK_Crosspoint/FMC2_GBTCLK0_M2C_C_N: C88.1 U2.41
/FPGA/FPGA_MGT/MGT_CLK_Crosspoint/FMC2_GBTCLK0_M2C_C_P: C100.1 U2.42
/FPGA/FPGA_MGT/MGT_CLK_Crosspoint/FMC2_GBTCLK1_M2C_C_N: C89.1 U2.44
/FPGA/FPGA_MGT/MGT_CLK_Crosspoint/FMC2_GBTCLK1_M2C_C_P: C101.1 U2.45
/FPGA/FPGA_MGT/MGT_CLK_Crosspoint/FPGA_REF_CLK0_C_N: C84.1 U2.9
/FPGA/FPGA_MGT/MGT_CLK_Crosspoint/FPGA_REF_CLK0_C_P: C96.1 U2.10
/FPGA/FPGA_MGT/MGT_CLK_Crosspoint/MGT_CLK_0_C_N: C33.2 U2.60
/FPGA/FPGA_MGT/MGT_CLK_Crosspoint/MGT_CLK_0_C_P: C289.2 U2.61
/FPGA/FPGA_MGT/MGT_CLK_Crosspoint/MGT_CLK_1_C_N: C32.2 U2.57
/FPGA/FPGA_MGT/MGT_CLK_Crosspoint/MGT_CLK_1_C_P: C288.2 U2.58
/FPGA/FPGA_MGT/MGT_CLK_Crosspoint/MGT_CLK_2_C_N: C31.2 U2.28
/FPGA/FPGA_MGT/MGT_CLK_Crosspoint/MGT_CLK_2_C_P: C35.2 U2.29
/FPGA/FPGA_MGT/MGT_CLK_Crosspoint/MGT_CLK_3_C_N: C30.2 U2.25
/FPGA/FPGA_MGT/MGT_CLK_Crosspoint/MGT_CLK_3_C_P: C34.2 U2.26
/FPGA/FPGA_MGT/MGT_CLK_Crosspoint/SI570_CLK_C_N: C85.1 U2.12
/FPGA/FPGA_MGT/MGT_CLK_Crosspoint/SI570_CLK_C_P: C97.1 U2.13
/FPGA/FPGA_MGT/MGT_RX_4_N: U1.R3 U48.8
/FPGA/FPGA_MGT/MGT_RX_4_P: U1.R4 U48.7
/FPGA/FPGA_MGT/MGT_RX_5_N: U1.N3 U48.4
/FPGA/FPGA_MGT/MGT_RX_5_P: U1.N4 U48.3
/FPGA/FPGA_MGT/MGT_RX_6_N: U1.L3 U50.8
/FPGA/FPGA_MGT/MGT_RX_6_P: U1.L4 U50.7
/FPGA/FPGA_MGT/MGT_RX_7_N: U1.J3 U50.4
/FPGA/FPGA_MGT/MGT_RX_7_P: U1.J4 U50.3
/FPGA/FPGA_MGT/MGT_TX_4_N: U1.P1 U46.4
/FPGA/FPGA_MGT/MGT_TX_4_P: U1.P2 U46.3
/FPGA/FPGA_MGT/MGT_TX_5_N: U1.M1 U46.8
/FPGA/FPGA_MGT/MGT_TX_5_P: U1.M2 U46.7
/FPGA/FPGA_MGT/MGT_TX_6_N: U1.K1 U49.4
/FPGA/FPGA_MGT/MGT_TX_6_P: U1.K2 U49.3
/FPGA/FPGA_MGT/MGT_TX_7_N: U1.H1 U49.8
/FPGA/FPGA_MGT/MGT_TX_7_P: U1.H2 U49.7
/FPGA/FPGA_MISO: U43.90 U51.3
/FPGA/FPGA_MOSI: U43.91 U51.2
/FPGA/FPGA_PWR&MISC/FPGA_INIT: R159.1 R282.1 U1.G7
/FPGA/FPGA_REF_CLK0_N: C96.2 R59.2 U20.5
/FPGA/FPGA_REF_CLK0_P: C84.2 R60.2 U20.6
/FPGA/FPGA_REF_CLK1_N: R61.2 U20.2
/FPGA/FPGA_REF_CLK1_P: R169.2 U20.3
/FPGA/FPGA_RESETn: R142.1 R159.2 U43.1
/FPGA/FPGA_SCK: U43.89 U51.5
/FPGA/FPGA_SSEL: U43.54 U51.4
/FPGA/FPGA_TCK: R229.1 U1.L8
/FPGA/FPGA_TDI: R215.1 U1.R6
/FPGA/FPGA_TDO: R216.1 U1.R7
/FPGA/FPGA_TMS: R228.1 U1.N8
/FPGA/FPGA_XR_GPIO_0: U35.9 U53.4
/FPGA/I2C_APP_SCL: R57.1 U5.15 U17.5 U32.5 U34.19 U39.19
/FPGA/I2C_APP_SDA: R75.1 U5.14 U17.6 U32.6 U34.20 U39.20
/FPGA/I2C_CLKMUX_SCL: R49.1 U5.6 Y6.8
/FPGA/I2C_CLKMUX_SDA: R50.1 U5.5 Y6.7
/FPGA/I2C_FPGA_SCL: R39.2 R136.1 U5.19 U52.7
/FPGA/I2C_FPGA_SDA: R40.2 R135.1 U5.20 U52.6
/FPGA/I2C_FPGA_SW_RST: R41.2 U5.24 U53.5
/FPGA/I2C_HDMI_SCL: R83.1 U5.17
/FPGA/I2C_HDMI_SDA: R91.1 U5.16
/FPGA/PROG_B: PB1.1 PB1.2 R160.2 U1.P6 U43.78
/FPGA/QSFP1_INT: J17.28 R304.1 U34.5
/FPGA/QSFP1_LPMODE: J17.31 R305.1 U34.4
/FPGA/QSFP1_MOD_PRS: J17.27 R303.1 U34.6
/FPGA/QSFP1_MOD_SEL: J17.8 R301.2 U34.8
/FPGA/QSFP1_RST: J17.9 R302.2 U34.7
/FPGA/QSFP1_RX_0_N: J17.18 U1.E3
/FPGA/QSFP1_RX_0_P: J17.17 U1.E4
/FPGA/QSFP1_RX_1_N: J17.21 U1.C3
/FPGA/QSFP1_RX_1_P: J17.22 U1.C4
/FPGA/QSFP1_RX_2_N: J17.24 U1.B5
/FPGA/QSFP1_RX_2_P: J17.25 U1.B6
/FPGA/QSFP1_RX_3_N: J17.15 U1.G3
/FPGA/QSFP1_RX_3_P: J17.14 U1.G4
/FPGA/QSFP1_TX_0_N: J17.37 U1.D1
/FPGA/QSFP1_TX_0_P: J17.36 U1.D2
/FPGA/QSFP1_TX_1_N: J17.2 U1.B1
/FPGA/QSFP1_TX_1_P: J17.3 U1.B2
/FPGA/QSFP1_TX_2_N: J17.5 U1.A3
/FPGA/QSFP1_TX_2_P: J17.6 U1.A4
/FPGA/QSFP1_TX_3_N: J17.34 U1.F1
/FPGA/QSFP1_TX_3_P: J17.33 U1.F2
/FPGA/QSFP2_INT: J8.28 R38.1 U34.14
/FPGA/QSFP2_LPMODE: J8.31 R77.1 U34.13
/FPGA/QSFP2_MOD_PRS: J8.27 R37.1 U34.15
/FPGA/QSFP2_MOD_SEL: J8.8 R35.2 U34.17
/FPGA/QSFP2_RST: J8.9 R36.2 U34.16
/FPGA/QSFP2_RX_0_N: J8.18 U48.18
/FPGA/QSFP2_RX_0_P: J8.17 U48.19
/FPGA/QSFP2_RX_1_N: J8.21 U50.12
/FPGA/QSFP2_RX_1_P: J8.22 U50.13
/FPGA/QSFP2_RX_2_N: J8.24 U50.14
/FPGA/QSFP2_RX_2_P: J8.25 U50.15
/FPGA/QSFP2_RX_3_N: J8.15 U48.16
/FPGA/QSFP2_RX_3_P: J8.14 U48.17
/FPGA/QSFP2_TX_0_N: J8.37 U46.12
/FPGA/QSFP2_TX_0_P: J8.36 U46.13
/FPGA/QSFP2_TX_1_N: J8.2 U49.14
/FPGA/QSFP2_TX_1_P: J8.3 U49.15
/FPGA/QSFP2_TX_2_N: J8.5 U49.12
/FPGA/QSFP2_TX_2_P: J8.6 U49.13
/FPGA/QSFP2_TX_3_N: J8.34 U46.14
/FPGA/QSFP2_TX_3_P: J8.33 U46.15
/FPGA/Self_FPGA_TCK: U8.8
/FPGA/Self_FPGA_TDI: U8.9
/FPGA/Self_FPGA_TDO: U9.9
/FPGA/Self_FPGA_TMS: U9.8
/FPGA/SI570_CLK_N: C85.2 Y6.5
/FPGA/SI570_CLK_P: C97.2 Y6.4
/FPGA/VCXO_EN: U42.1 Y3.2
/FPGA/VREF_DDR3: C14.1 C15.1 C16.1 C17.1 C18.1 C19.1 C25.1 SK1.1 SK1.126 U1.AD3 U1.AE11 U1.AE16 U1.W4 U1.W8 U1.Y18 U31.6
/FPGA/WR_DAC1_SYNC: U19.5 U42.3
/FPGA/WR_DAC2_SYNC: U16.5 U42.6
/FPGA/WR_DAC_DIN: U16.7 U19.7 U42.4
/FPGA/WR_DAC_SCLK: U16.6 U19.6 U42.5
/FPGA_RTS: U1.M16 U15.5
/FPGA_RxD: U1.K15 U38.5
/FPGA_TxD: U1.C16 U38.4
/I2C_MUX/QSFP1_SCL: J17.11 R53.1 U5.11
/I2C_MUX/QSFP1_SDA: J17.12 R54.1 U5.10
/I2C_MUX/QSFP2_SCL: J8.11 R55.1 U5.13
/I2C_MUX/QSFP2_SDA: J8.12 R56.1 U5.12
/I2C_PM_SCL: SK1.202
/I2C_PM_SDA: SK1.200
/JTAG/FMC1_TDI_R: R237.2 R277.2 U10.1
/JTAG/FMC1_TDO_R: R238.2 R278.2 U10.2
/JTAG/FMC2_TDI_R: R238.1 R279.2 U7.1
/JTAG/FMC2_TDO_R: R275.1 R280.2 U7.2
/JTAG/JTAG_TCK: J11.6 R229.2 R230.2 U8.5
/JTAG/JTAG_TDI: J11.10 R215.2 R231.2 U8.4
/JTAG/JTAG_TDO: J11.8 R216.2 R233.2 U9.4
/JTAG/JTAG_TMS: J11.4 R228.2 R232.2 U9.5
/LPC_RST: D3.2 J14.10 R138.1 U43.14
/MMC/AT_DET: R179.2 U41.4 U43.36
/MMC/BOOT_MODE0: R286.2 U43.23
/MMC/BOOT_MODE1: R287.2 U43.24
/MMC/BOOT_MODE2: R288.2 U43.25
/MMC/EN_FMC1_P12V: Q8.1 R188.1 U43.56
/MMC/EN_FMC2_P12V: Q9.1 R201.1 U43.55
/MMC/EN_PSU_CH: R245.2 U43.57
/MMC/HW_ID0: R144.1 U43.59
/MMC/HW_ID1: R146.1 U43.60
/MMC/HW_ID2: R147.1 U43.61
/MMC/HW_ID3: R158.1 U43.62
/MMC/I2C_PM_SCL: J9.2 U27.16 U28.2 U29.2 U35.12 U43.95
/MMC/I2C_PM_SDA: J9.3 U27.15 U28.1 U29.1 U35.11 U43.96
/MMC/ISP_RSTn: D3.1 Q14.3
/MMC/LPC_ISPn: R128.2 U24.5
/MMC/MMC_CONS_PROG_RxD: U25.5 U43.93
/MMC/MMC_CONS_PROG_TxD: U25.4 U43.92
/MMC/MMC_TRST: R139.1
/MMC/OVER_TEMP: D2.1 R178.2 U27.7 U28.3 U29.3 U43.35
/MMC/Pmod3_0: J16.1 U43.81
/MMC/Pmod3_1: J16.3 U43.85
/MMC/Pmod3_2: J16.5 U43.84
/MMC/Pmod3_3: J16.7 U43.82
/MMC/Pmod3_4: J16.2 U43.83
/MMC/Pmod3_5: J16.4 U43.88
/MMC/Pmod3_6: J16.6 U43.87
/MMC/Pmod3_7: J16.8 U43.86
/MMC/SW: R143.2 S1.1 U43.3
/MMC/USB_DM: U43.70
/MMC/USB_DP: U43.71
/MMC_TCK: J14.4 R137.1
/MMC_TDI: J14.8
/MMC_TDO: J14.6
/MMC_TMS: J14.2 R140.1
/MUX1_MMC: D19.2 U43.4
/MUX2_MMC: D20.2 U43.5
/MUX3_MMC: D21.2 U43.38
/PMOD/Pmod1_0: U1.C24 U3.3
/PMOD/Pmod1_1: U1.C22 U3.4
/PMOD/Pmod1_2: U1.L23 U3.5
/PMOD/Pmod1_3: U1.D21 U3.6
/PMOD/Pmod1_4: U1.K21 U3.7
/PMOD/Pmod1_5: U1.C18 U3.8
/PMOD/Pmod1_6: U1.C19 U3.9
/PMOD/Pmod1_7: U1.C17 U3.10
/PMOD/Pmod1_C_0: J12.1 U3.18
/PMOD/Pmod1_C_1: J12.3 U3.17
/PMOD/Pmod1_C_2: J12.5 U3.16
/PMOD/Pmod1_C_3: J12.7 U3.15
/PMOD/Pmod1_C_4: J12.2 U3.14
/PMOD/Pmod1_C_5: J12.4 U3.13
/PMOD/Pmod1_C_6: J12.6 U3.12
/PMOD/Pmod1_C_7: J12.8 U3.11
/PMOD/Pmod2_0: U1.AE7 U12.3
/PMOD/Pmod2_1: U1.V7 U12.4
/PMOD/Pmod2_2: U1.Y7 U12.5
/PMOD/Pmod2_3: U1.AF7 U12.6
/PMOD/Pmod2_4: U1.V8 U12.7
/PMOD/Pmod2_5: U1.AA8 U12.8
/PMOD/Pmod2_6: U1.Y8 U12.9
/PMOD/Pmod2_7: U1.W9 U12.10
/PMOD/Pmod2_C_0: J13.1 U12.18
/PMOD/Pmod2_C_1: J13.3 U12.17
/PMOD/Pmod2_C_2: J13.5 U12.16
/PMOD/Pmod2_C_3: J13.7 U12.15